# Altium PCB 01156.PcbDoc (part 3 of 3)
Units mm, origin at the board's own origin, x right, y up, seen from the top; angles counter-clockwise.
Board outline 60 x 50 mm, 4 copper layers (Top Layer, Signal Layer 1, Signal Layer 2, Bottom Layer), stack 1.57 mm thick; 178 components, 105 nets, 534 pads, 248 vias.
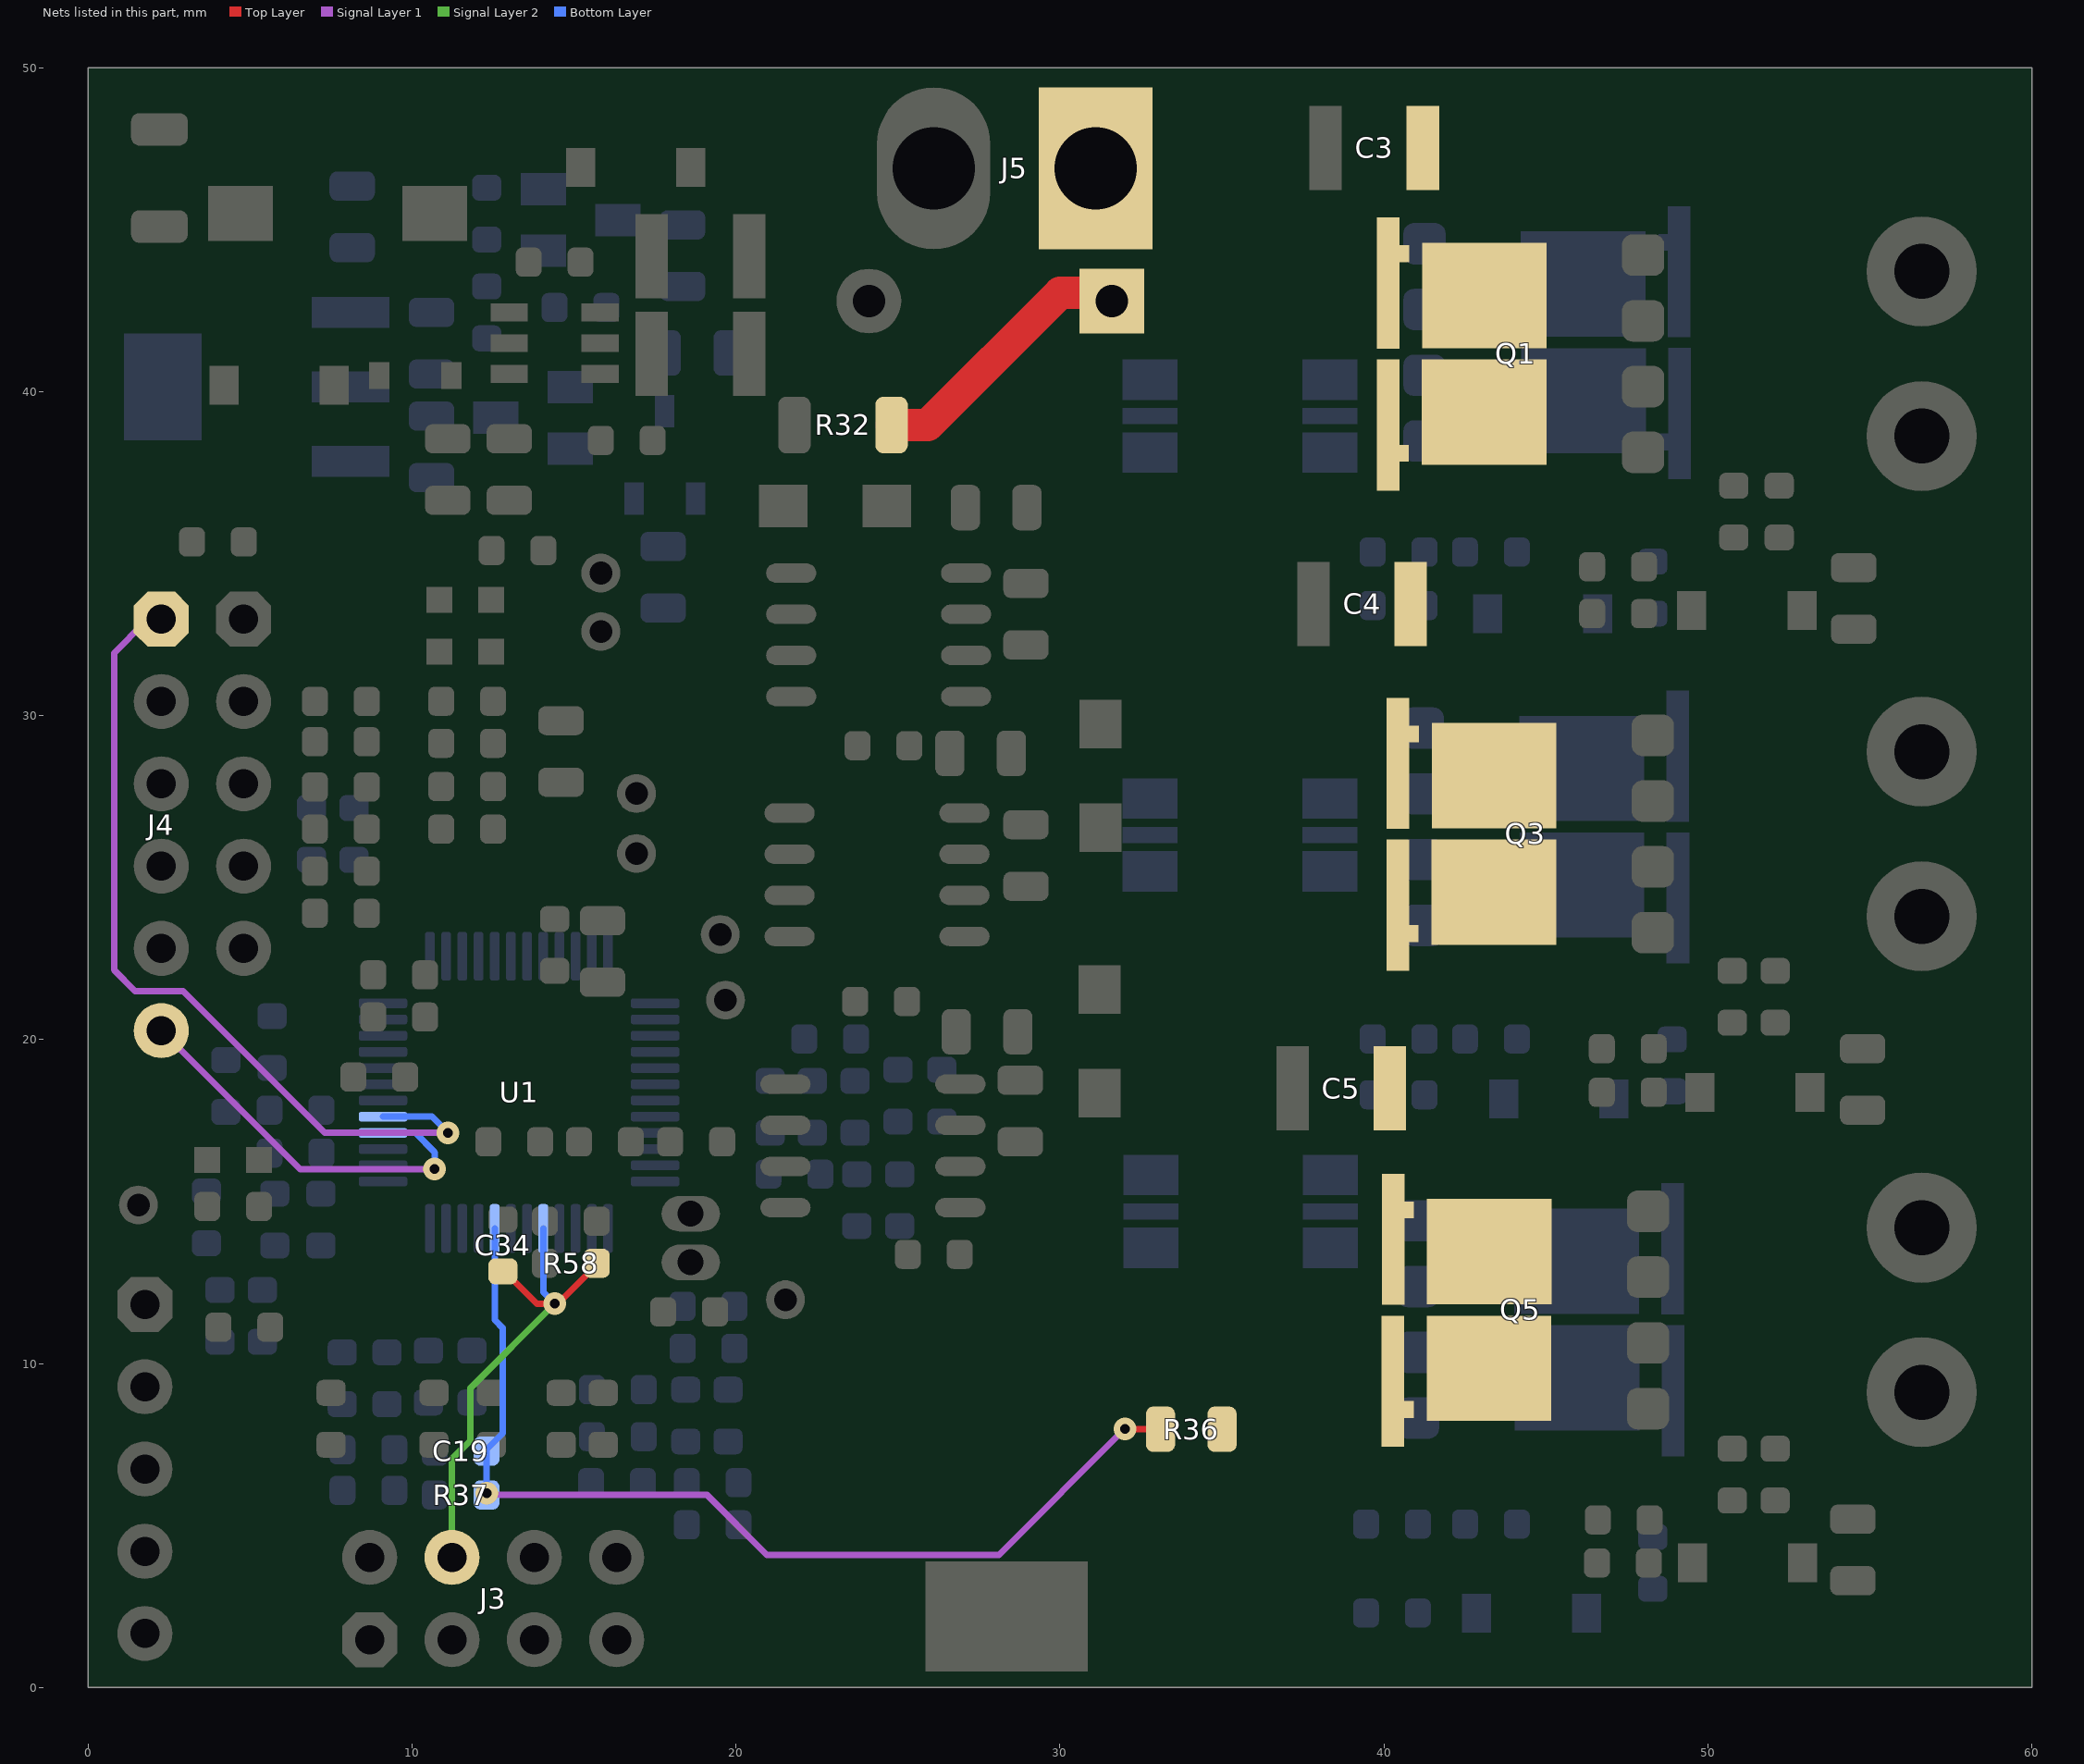
[diagram p5: the nets of this part, all layers, seen from the top]

## Via types
v1: diameter 0.7, hole 0.3, Top Layer to Bottom Layer, tented both sides, 162 vias
v2: diameter 0.8, hole 0.4, Top Layer to Bottom Layer, tented both sides, 86 vias

## Nets (pads, with @x,y where several pads share a name; then routed paths per layer and width w, separated by ;. In a path a pad name is that pad's centre, name@x,y a point inside that pad or via, vN(x,y) a via of type N, cw(c..) or ccw(c..) an arc to the next point about the centre after c; other vN are vias at no path point) (continued)
THROTTLE: C34.2 J3.4 R58.1 U1.17 | length 15.5
  Top Layer w0.2: C34.2@12.8,12.85 12.85,12.85 13.85,11.85 v1(14.4,11.85) 14.5,11.85 15.7,13.05 R58.1@15.7,13.1
  Signal Layer 2 w0.2: J3.4@11.23,4.02 11.23,7.059 11.793,7.622 11.793,9.243 v1(14.4,11.85)
  Bottom Layer w0.2: U1.17@14.05,14.175 14.05,12.2 v1(14.4,11.85)
UART_RX: J4.1 U1.29 | length 25.7
  Signal Layer 1 w0.2: J4.1@1.75,32.89 0.8,31.94 0.8,22.15 1.452,21.498 2.927,21.498 7.3,17.125 v1(11.1,17.125)
  Bottom Layer w0.2: U1.29@9.1,17.625 10.618,17.625 11.1,17.143 v1(11.1,17.125)
UART_TX: J4.6 U1.28 | length 12.6
  Signal Layer 1 w0.2: J4.6@2.26,20.28 6.54,16 10.674,16 v1(10.687,16.013)
  Bottom Layer w0.2: U1.28@9.1,17.125 10.097,17.125 10.7,16.523 10.7,16.026 v1(10.687,16.013)
VBUS: C3.2 C4.2 C5.2 J5.1 pad.1@31.6,42.8 Q1.5@40.62,38.104 Q1.5@40.127,38.976 Q1.5@40.135,43.356 Q1.5@40.628,44.263 Q1.5@43.1,42.975 Q1.5@43.091,39.375 Q3.5@40.92,23.279 Q3.5@40.427,24.151 Q3.5@40.435,28.531 Q3.5@40.928,29.438 Q3.5@43.4,28.15 Q3.5@43.391,24.55 Q5.5@40.77,8.586 Q5.5@40.277,9.458 Q5.5@40.285,13.838 Q5.5@40.778,14.745 Q5.5@43.25,13.457 Q5.5@43.241,9.857 R32.2 R36.2 | length 8.5
  Top Layer w1: R32.2@24.8,38.975 25.922,38.975 29.997,43.05 pad.1@31.6,43.05
VBUS/16: C19.2 R36.1 R37.2 U1.20 | length 31.7
  Top Layer w0.2: v1(32,7.99) 32.015,7.975 R36.1@33.1,7.975
  Signal Layer 1 w0.2: v1(12.3,6) 12.35,5.95 19.1,5.95 20.95,4.1 28.11,4.1 v1(32,7.99)
  Bottom Layer w0.2: R37.2@12.3,5.95 v1(12.3,6) C19.2@12.3,7.3 12.3,7.35 12.8,7.85 12.8,11.1 12.55,11.35 U1.20@12.55,14.175
pads on no net: Q1.5@40.127,38.976 Q1.5@40.135,43.356 Q1.5@42.1,39.375 Q1.5@42.1,42.975 Q1.5@44.1,39.375 Q1.5@44.1,42.975 Q2.5@45.15,39.725 Q2.5@45.15,43.325 Q2.5@47.15,39.725 Q2.5@47.15,43.325 Q2.5@49.115,43.706 Q2.5@49.123,39.326 Q3.5@40.427,24.151 Q3.5@40.435,28.531 Q3.5@42.4,24.55 Q3.5@42.4,28.15 Q3.5@44.4,24.55 Q3.5@44.4,28.15 Q4.5@45.1,24.775 Q4.5@45.1,28.375 Q4.5@47.1,24.775 Q4.5@47.1,28.375 Q4.5@49.065,28.756 Q4.5@49.073,24.376 Q5.5@40.277,9.458 Q5.5@40.285,13.838 Q5.5@42.25,9.857 Q5.5@42.25,13.457 Q5.5@44.25,9.857 Q5.5@44.25,13.457 Q6.5@44.95,9.564 Q6.5@44.95,13.164 Q6.5@46.95,9.564 Q6.5@46.95,13.164 Q6.5@48.915,13.544 Q6.5@48.923,9.165

## Polygon pours and split planes (outlines as drawn)
GND on Bottom Layer "Bottom Layer-GND" (solid, pour order 78): 0,0 0,50 33.667,50 33.667,0
NetC3_1 on Bottom Layer "Bottom Layer-CS_P" (solid, remove dead copper, pour order 74): 36.25,35.708 40.45,35.708 40.45,39.45 42.5,39.45 42.5,50 36.25,50 36.25,42.11
NetC4_1 on Bottom Layer "NETC4_1_L04_P073" (solid, remove dead copper, pour order 73): 36.05,31.95 36.05,21.2 42.3,21.2 42.3,32.56 38.975,32.56 38.975,34.825 36.05,34.825
NetC5_1 on Bottom Layer "NETC5_1_L04_P072" (solid, remove dead copper, pour order 72): 35.975,15.26 35.975,6.16 42.225,6.16 42.225,17.275 38.9,17.275 38.9,19.835 35.975,19.835
C on Bottom Layer "Bottom Layer-C" (solid, pour order 77): 44,16.5 59.5,16.5 59.5,6.55 44,6.55
A on Bottom Layer "Bottom Layer-B" (solid, pour order 75): 44.2,46.5 59.5,46.5 59.5,36.55 44.2,36.55
B on Bottom Layer "Bottom Layer-A" (solid, pour order 76): 44.14,31.5 59.5,31.5 59.5,21.55 44.14,21.55
+12V on Bottom Layer "Bottom Layer-+12V" (solid, pour order 71): 1.2,43.2 3.083,43.2 3.265,43.382 3.265,43.935 2.95,44.25 1.55,44.25 1.2,43.9
GND on Top Layer "Top Layer-GND" (solid, remove dead copper, pour order 62): 0.5,49.49 0.5,0.5 28.85,0.5 28.85,49.49
VBUS on Top Layer "Top Layer-VBUS" (solid, remove dead copper, pour order 61): 45.85,0.51 32.825,0.51 32.825,41.6 30.502,41.6 28.85,43.252 28.85,49.5 45.85,49.5
B on Top Layer "Top Layer-A" (solid, pour order 58): 46.8,30.85 47.625,31.675 59.5,31.675 59.5,21.55 50.1,21.55 50.1,22.6 49.85,22.85 46.8,22.85
A on Top Layer "Top Layer-B" (solid, pour order 60): 46.8,45.85 47.85,46.9 59.5,46.9 59.5,36.55 50.1,36.55 50.1,37.55 49.8,37.85 46.8,37.85
C on Top Layer "Top Layer-C" (solid, pour order 59): 46.8,15.85 47.733,16.783 59.5,16.783 59.5,6.55 50.1,6.55 50.1,8.1 46.8,8.1
GND on Top Layer "GND_L01_P056" (solid, remove dead copper, pour order 56): 30.439,19.95 32.205,19.95 32.6,20.345 32.6,22.385 30.439,22.385
GND on Top Layer "GND_L01_P057" (solid, remove dead copper, pour order 57): 31.743,31.582 31.65,31.675 28.166,31.675 28.166,29.371 31.743,29.371
GND on Signal Layer 2 "Signal Layer 2-GND" (solid, remove dead copper, pour order 69): 0,50 60,50 60,0 0,0
C on Signal Layer 2 "Bottom Layer-B" (solid, pour order 67): 49.6,16.512 59.46,16.512 59.46,6.562 49.6,6.562
B on Signal Layer 2 "Bottom Layer-B" (solid, pour order 68): 49.6,31.512 59.46,31.512 59.46,21.562 49.6,21.562
A on Signal Layer 2 "Bottom Layer-B" (solid, pour order 66): 49.6,46.512 59.46,46.512 59.46,36.562 49.6,36.562
GND on Signal Layer 1 "GND_L02_P079" (solid, remove dead copper, pour order 79): 0,50 0,12.7 19.184,12.7 20.65,14.166 20.65,26.45 22.55,28.35 22.55,31.35 23.675,31.35 24.75,32.425 24.75,34.45 27.65,37.35 31,37.35 31.25,37.6 31.25,40.95 29.45,40.95 28.3,42.1 28.3,50
C on Signal Layer 1 "Bottom Layer-B" (solid, pour order 63): 49.7,16.5 59.51,16.5 59.51,6.55 49.7,6.55
B on Signal Layer 1 "Bottom Layer-B" (solid, pour order 64): 49.7,31.5 59.51,31.5 59.51,21.55 49.7,21.55
A on Signal Layer 1 "Bottom Layer-B" (solid, pour order 65): 49.7,46.5 59.51,46.5 59.51,36.55 49.7,36.55

## Keep-outs
Keep-Out Layer:
  text ".Layer_Name" at 255.5,-158.75 h1.5

## Other copper
Top Layer:
  region net HSC: 45,4.375 44.118,4.375 44.118,2.394 45,2.394
  region net NetC5_1: 38.905,20 36.625,20 36.625,16.9 38.905,16.9
  rectangle net NetC4_1: 36.2,32.182 38.3,34.95
  rectangle net NetC3_1: 36.22,46.05 38.7,49.075
  region net HSB: 26.002,25.695 25.22,25.695 25.22,24.274 26.002,24.274
  region net B: 30.346,28.774 29.565,28.774 29.565,27.353 30.346,27.353
  region net C: 30.277,20.838 29.496,20.838 29.496,19.417 30.277,19.417
  rectangle net HSC: 29.351,14.68 30.24,16.14
  region net LSC: 21.255,14.277 21.255,13.496 22.676,13.496 22.676,14.277
  region net LSA: 22.88,30.977 22.88,30.196 24.301,30.196 24.301,30.977
  rectangle net HSA: 25.273,32.88 26.054,34.301
  region net A: 30.18,36.777 30.18,35.996 31.601,35.996 31.601,36.777
  region net LSB: 24.271,22.245 24.271,23.026 22.85,23.026 22.85,22.245
  rectangle net HSB: 44.95,17.15 45.782,18.825
  region net LSB: 46,19.625 46,20.457 44.05,20.457 44.05,19.625
  region net LSA: 45.725,36.1 44.893,36.1 44.893,34.425 45.725,34.425
  region net HSA: 45.35,33.6 44.468,33.6 44.468,31.925 45.35,31.925
  region net LSC: 43.725,5.475 43.725,4.643 45.6,4.643 45.6,5.475
  pour cut-out: 43.725,20.763 45.85,20.763 45.85,16.75 43.725,16.768
  pour cut-out: 44.14,36.51 45.85,36.51 45.85,31.618 44.14,31.633
  region net GND: 29.258,41.1 31.25,41.1 31.743,40.607 31.743,37.85 31.322,37.43 26.8,37.43 26.8,38.642
  pour cut-out: 48.98,39.093 48.98,37.527 46.528,37.527 46.541,39.093
  pour cut-out: 49.155,9.557 49.155,7.991 46.703,7.991 46.716,9.557
  pour cut-out: 49.255,24.272 49.255,22.706 46.803,22.706 46.817,24.271
  region net +12V: 6,39.5 6,45.55 1.1,45.55 1.1,42.31 3.115,42.31 3.3,42.125 3.3,39.5
  region net NetC1_2: 12,40.1 12,41.85 12.26,42.11 13.6,42.11 14,42.51 14,44.45 13.7,44.75 12.242,44.75 10.9,43.408 10.9,40.1
  region net NetC1_1: 16.4,42.2 16.4,47.7 8.985,47.7 8.985,45.1 14,45.1 14.7,44.4 14.7,42.65 15.15,42.2
  region net NetC6_2: 15.2,41.8 16.7,41.8 17,42.1 17,44.9 19.6,44.9 19.6,37.8 17,37.8 17,40.8 16.55,41.25 15.2,41.25
  text ".ProjectRevisionART" at 290.678,-158.572 h1.5
  text ".Layer_Name" at 255.5,-158.75 h1.5
Signal Layer 1:
  region net LSB: 24.271,22.225 24.271,23.026 22.85,23.026 22.85,22.225
  region net HSB: 26.05,25.725 25.23,25.725 25.23,24.245 26.05,24.245
  region net C: 30.268,20.85 29.486,20.85 29.486,19.25 30.268,19.25
  region net LSA: 22.85,30.993 22.85,30.212 24.33,30.212 24.33,30.993
  region net HSA: 26.05,34.325 25.23,34.325 25.23,32.85 26.05,32.85
  region net A: 30.15,36.78 30.15,35.999 31.625,35.999 31.625,36.78
  rectangle net B: 29.55,27.275 30.37,28.8
  region net LSC: 22.707,13.525 22.707,14.324 21.227,14.324 21.227,13.525
  region net HSC: 30.05,16.15 29.351,16.15 29.351,14.675 30.05,14.675
  rectangle net HSA: 44.475,31.95 45.307,33.55
  region net LSA: 45.725,36.075 44.893,36.075 44.893,34.475 45.725,34.475
  region net B: 50.582,29.775 49.75,29.775 49.75,27.68 50.582,27.68
  rectangle net A: 50.075,37.725 50.907,39.85
  rectangle net C: 49.75,14.175 50.582,16.325
  region net LSC: 43.675,5.475 43.675,4.643 45.575,4.643 45.575,5.475
  rectangle net HSC: 44.125,2.4 44.975,4.1
  region net LSB: 46.05,19.6 46.05,20.432 44.075,20.432 44.075,19.6
  rectangle net HSB: 44.925,17.125 45.757,18.8
  region net VBUS: 29.4,49.45 29.4,42.154 30.029,41.525 32.95,41.525 33.2,41.775 33.2,49.45
Signal Layer 2:
  rectangle net VBUS: 29.4,41.85 32.672,49.356
Bottom Layer:
  rectangle net VBUS: 29.4,41.85 32.644,49.4
  rectangle net HSC: 44.15,2.45 44.96,4.05
  rectangle net HSB: 25.253,24.235 26.025,25.735
  region net C: 30.272,20.875 29.49,20.875 29.49,19.325 30.272,19.325
  region net B: 30.322,28.757 29.54,28.757 29.54,27.257 30.322,27.257
  region net A: 30.143,36.772 30.143,35.99 31.6,35.99 31.6,36.772
  rectangle net HSA: 25.285,32.843 26.066,34.343
  region net LSA: 24.337,30.222 24.337,31.004 22.837,31.004 22.837,30.222
  region net LSB: 22.843,22.972 22.843,22.2 24.343,22.2 24.343,22.972
  region net LSC: 21.218,14.265 21.218,13.484 22.718,13.484 22.718,14.265
  rectangle net HSC: 29.351,14.7 30.068,16.175
  rectangle net LSA: 44.9,34.475 45.71,36.075
  region net HSA: 45.3,33.55 44.49,33.55 44.49,31.95 45.3,31.95
  region net HSB: 45.75,18.775 44.94,18.775 44.94,17.175 45.75,17.175
  rectangle net LSB: 44.1,19.55 46.01,20.475
  region net LSC: 43.7,5.492 43.7,4.605 46.3,4.605 46.3,5.492
  region net +5V: 13.85,37.4 17.01,37.4 18.15,36.26 18.15,34.875 16.85,34.875 16.017,35.708 13.85,35.708
  pour cut-out: 40.096,9.264 40.096,6.167 42.24,6.167 42.213,9.264
  pour cut-out: 28.85,49.475 28.85,41.525 33.732,41.525 33.662,49.475
  pour cut-out: 26.1,27.5 18.875,27.5 18.875,26.894 26.1,26.958
  pour cut-out: 25.63,27.488 25.63,12.562 26.236,12.562 26.104,27.488
  pour cut-out: 32.85,12.65 25.625,12.65 25.625,12.045 32.85,12.108
  region net +3V3: 7.25,38.2 10.968,38.2 11.118,38.05 11.118,37.35 7.25,37.35
  text "04-'.ProjectPCBNumber'-R'.ProjectRevisionART'" at 59.4,48.1 h1.2
  text ".ProjectRevisionART" at 290.678,-158.572 h1.5
  text ".ProjectRevisionART" at 290.678,-158.572 h1.5
  text ".ProjectRevisionART" at 290.678,-158.572 h1.5
  text ".Layer_Name" at 255.5,-158.75 h1.5

## Silkscreen, mask and mechanical layers (free items; w line width, h text height)
Top Overlay:
  rectangle: 0.3,13.15 3.25,14.1
  region: 3.475,12.95 4.675,14.15 4.675,11.75
  region: 7.125,1.67 5.925,0.47 5.925,2.87
  region: 1.3,34.275 0.1,35.475 2.5,35.475
  region: 6.442,33.225 7.642,34.425 7.642,32.025
  text ".ProjectPartNumber" at 50,48.3 h1.2
  text "-" at 22.081,46.35 h3
  text "+" at 34.4,45.95 h3
  text "-" at 25.5,42.25 h3
  text "+" at 28.75,41.85 h3
  text "A" at 52.85,40.45 h3
  text "B" at 53.15,25.8 h3
  text "C" at 53.15,10.825 h3
  text "PICkit™" at 3.6,8.75 h2 r270
  text "M" at 22.15,5.05 h6
  text "GND" at 31.85,1.2 h2
  text ".ProjectRevisionART" at 290.678,-158.572 h1.5
  text ".Layer_Name" at 255.5,-158.75 h1.5
Bottom Overlay:
  text "-" at 26.1,42.3 h3
  text "+" at 28.9,41.9 h3
  text "dsPIC®" at 16.3,28.25 h2
  text "C" at 36.3,6 h5
  text "" at 31.3,4.4 h5
  text "e" at 36.5,1.25 h5
  text "" at 30.65,0 h5
  text ".ProjectRevisionART" at 290.678,-158.572 h1.5
  text ".Layer_Name" at 255.5,-158.75 h1.5
Top Paste:
  text ".ProjectRevisionART" at 290.678,-158.572 h1.5
  text ".Layer_Name" at 255.5,-158.75 h1.5
Bottom Paste:
  text ".ProjectRevisionART" at 290.678,-158.572 h1.5
  text ".Layer_Name" at 255.5,-158.75 h1.5
Top Solder:
  text ".ProjectRevisionART" at 290.678,-158.572 h1.5
  text ".Layer_Name" at 255.5,-158.75 h1.5
Bottom Solder:
  text ".ProjectRevisionART" at 290.678,-158.572 h1.5
  text ".Layer_Name" at 255.5,-158.75 h1.5
NOTES (M1):
  text ".Layer_Name" at 273.5,-158.75 h1.5
BOARD (M2):
  lines w0.2: 0,0 60,0 60,50 10,50 0,50 0,0
  text ".ProjectRevisionART" at 290.678,-158.572 h1.5
  text ".Layer_Name" at 255.5,-158.75 h1.5
REF POINTS (M3):
  text ".Layer_Name" at 255.5,-158.75 h1.5
FAB (M4):
  drawing of 295 lines, arcs and shapes, not listed
  text "Layer" at 183.78,-72.096 h1.52
  text "Name" at 194.192,-72.096 h1.52
  text "Material" at 218.062,-72.096 h1.52
  text "Thickness" at 239.9,-72.096 h1.52
  text "Constant" at 256.406,-72.096 h1.52
  text "Board Layer Stack" at 270.88,-72.096 h1.52
  text "Top Overlay" at 194.192,-75.144 h1.52
  text "Top Solder" at 194.192,-78.192 h1.52
  text "Solder Resist" at 218.062,-78.192 h1.52
  text "0.010mm" at 239.9,-78.192 h1.52
  text "3.5" at 256.406,-78.192 h1.52
  text "1" at 183.78,-81.24 h1.52
  text "Top Layer" at 194.192,-81.24 h1.52
  text "0.035mm" at 239.9,-81.24 h1.52
  text "Dielectric1" at 194.192,-84.288 h1.52
  text "FR-4" at 218.062,-84.288 h1.52
  text "0.360mm" at 239.9,-84.288 h1.52
  text "4.2" at 256.406,-84.288 h1.52
  text "2" at 183.78,-87.336 h1.52
  text "Signal Layer 1" at 194.192,-87.336 h1.52
  text "0.035mm" at 239.9,-87.336 h1.52
  text "Dielectric 3" at 194.192,-90.384 h1.52
  text "FR-4" at 218.062,-90.384 h1.52
  text "0.710mm" at 239.9,-90.384 h1.52
  text "4.2" at 256.406,-90.384 h1.52
  text "3" at 183.78,-93.432 h1.52
  text "Signal Layer 2" at 194.192,-93.432 h1.52
  text "0.035mm" at 239.9,-93.432 h1.52
  text "Dielectric 2" at 194.192,-96.48 h1.52
  text "FR-4" at 218.062,-96.48 h1.52
  text "0.360mm" at 239.9,-96.48 h1.52
  text "4.2" at 256.406,-96.48 h1.52
  text "4" at 183.78,-99.528 h1.52
  text "Bottom Layer" at 194.192,-99.528 h1.52
  text "0.035mm" at 239.9,-99.528 h1.52
  text "Bottom Solder" at 194.192,-102.576 h1.52
  text "Solder Resist" at 218.062,-102.576 h1.52
  text "0.010mm" at 239.9,-102.576 h1.52
  text "3.5" at 256.406,-102.576 h1.52
  text "Bottom Overlay" at 194.192,-105.624 h1.52
  text ".ProjectRevisionFAB" at 290.678,-158.572 h1.5
  text ".Layer_Name" at 255.5,-158.75 h1.5
Case (M5):
  text ".Layer_Name" at 255.5,-158.75 h1.5
Cover (M6):
  text ".Layer_Name" at 255.5,-158.75 h1.5
Terminal Block (M7):
  text ".Layer_Name" at 255.5,-158.75 h1.5
Route Tool Path:
  text ".Layer_Name" at 255.5,-158.75 h1.5
V-Cut (M9):
  text ".Layer_Name" at 255.5,-158.75 h1.5
Bottom Assy TOP (M11)/Assy BOT (M10):
  text ".variantName" at 5.07,-142.75 h0.9
  text "ASSEMBLY VARIANT:" at 19.32,-142.75 h0.9
  text "DOCUMENT NUMBER:" at -26.95,-151 h1.14
  text "-D" at -40.95,-154 h1.78
  text ".ProjectBoardNumber" at -32.7,-154 h1.78
  text "02-" at -27.2,-154 h1.78
  text ".ProjectRevisionASSY" at -43.878,-158.572 h1.5
  text ".Layer_Name" at -9,-158.75 h1.5
Top Assy TOP (M11)/Assy BOT (M10):
  text "ASSEMBLY NOTES:" at -15.6,-109.1 h4
  text "1. ALL COMPONENTS SHALL BE RoHS COMPLIANT." at -49.7,-114.2 h3
  text "2. ALL UNUSED THROUGH HOLE COMPONENT LOCATIONS SHALL BE FREE OF SOLDER." at -49.7,-117.2 h3
  text "3. ALL COMPONENTS SHALL BE MOUNTED FLUSH TO THE BOARD, EXCEPT AS NOTED." at -49.7,-120.2 h3
  text "4. FINISHED BOARD SHALL BE FREE OF ALL RESIDUES." at -49.7,-123.2 h3
  text "5. ALL LEADS SHALL BE TRIMMED TO A MAXIMUM HEIGHT OF 2mm" at -49.7,-126.2 h3
  text "6. PLACE LABEL  ON THE LOCATION INDICATED." at -49.7,-129.2 h3
  text "7." at -49.7,-132.2 h3
  text "ASSEMBLY VARIANT:" at 227.5,-142.75 h0.9
  text ".variantName" at 241.75,-142.75 h0.9
  text "DOCUMENT NUMBER:" at 273.75,-151 h1.14
  text "02-" at 274,-154 h1.78
  text ".ProjectBoardNumber" at 279.5,-154 h1.78
  text "-D" at 287.75,-154 h1.78
  text ".ProjectRevisionASSY" at 290.678,-158.572 h1.5
  text ".Layer_Name" at 255.5,-158.75 h1.5
Bottom 3D TOP (M13)/3D BOT (M12):
  text ".Layer_Name" at 255.5,-158.75 h1.5
Top 3D TOP (M13)/3D BOT (M12):
  text ".Layer_Name" at 255.5,-158.75 h1.5
Bottom Guard TOP (M15)/Guard BOT (M14):
  text ".ProjectRevisionART" at 290.678,-158.572 h1.5
  text ".Layer_Name" at 255.5,-158.75 h1.5
Top Guard TOP (M15)/Guard BOT (M14):
  text ".ProjectRevisionART" at 290.678,-158.572 h1.5
  text ".Layer_Name" at 255.5,-158.75 h1.5
TITLE (M16):
  lines w0.1: 227,-141.5 308.82,-141.5 ; 284,-134 284,-137 308.82,-137 ; 297.54,-158.635 297.54,-157.365 ; 297.54,-158 307.7,-158 ; 297.7,-156.8 297.7,-155.8 ; 297.7,-156.3 307.7,-156.3 ; 300.08,-158.635 300.08,-157.365 ; 302.62,-158.635 302.62,-157.365 ; 302.7,-156.6 302.7,-156 ; 305.16,-158.635 305.16,-157.365 ; 307.7,-158.635 307.7,-157.365 ; 307.7,-156.8 307.7,-155.8 ; 308.82,-137 308.82,-137
  lines w0.127: -67.1,-104.175 -62.02,-104.175 ; -67.1,-43.85 -62.02,-43.85 ; -67.1,16.475 -62.02,16.475 ; -3.6,-164.5 -3.6,-159.42 ; -3.6,71.72 -3.6,76.8 ; 59.9,-164.5 59.9,-159.42 ; 59.9,71.72 59.9,76.8 ; 123.4,-164.5 123.4,-159.42 ; 123.4,71.72 123.4,76.8 ; 158.96,-159.42 194.52,-159.42 ; 186.9,-164.5 186.9,-159.42 ; 186.9,71.72 186.9,76.8 ; 193,-159.42 193,-134 308.82,-134 ; 227,-159.42 227,-134 ; 227,-155 308.82,-155 ; 227,-149 308.82,-149 ; 227,-143 308.82,-143 ; 250.4,-164.5 250.4,-159.42 ; 250.4,71.72 250.4,76.8 ; 255,-159.42 255,-143 ; 273,-155 273,-149 ; 286,-159.42 286,-155 ; 293.5,-159.42 293.5,-149 ; 308.82,-128.94 308.82,-159.42 ; 308.82,-104.175 313.9,-104.175 ; 308.82,-43.85 313.9,-43.85 ; 308.82,16.475 313.9,16.475 ; 308.82,-159.42 -62.02,-159.42 -62.02,71.72 308.82,71.72 308.82,-159.42 ; -67.1,-164.5 313.9,-164.5 313.9,76.8 -67.1,76.8 -67.1,-164.5
  lines w0.254: 187,71.5 187,67 ; 198,62.5 198,67 198,71.5 ; 210.5,62.5 210.5,67 210.5,71.5 ; 289,62.5 289,67 289,71.5 ; 308.5,62.5 187,62.5 187,67 ; 308.5,67 187,67
  text "1" at -35.824,73.498 h1.78
  text "2" at 27.566,73.498 h1.78
  text "3" at 90.795,73.498 h1.78
  text "4" at 154.464,73.498 h1.78
  text "5" at 217.939,73.498 h1.78
  text "6" at 281.566,73.498 h1.78
  text "REV" at 189.5,68.5 h1.52
  text "ECO" at 199.5,68.5 h1.52
  text "Comments" at 246,68 h1.52
  text "Date" at 294,68 h1.52
  text "A" at -65.195,44.466 h1.78
  text "A" at 310.725,44.466 h1.78
  text "B" at -65.195,-15.986 h1.78
  text "B" at 310.725,-15.986 h1.78
  text "C" at -65.195,-76.311 h1.78
  text "C" at 310.725,-76.311 h1.78
  text "PART NUMBER:" at 285,-136 h1
  text ".ProjectpartNumber" at 297,-136.25 h1.5
  text "D" at -65.195,-136.509 h1.78
  text "TITLE:" at 228,-136.5 h1.14
  text "D" at 310.725,-136.509 h1.78
  text ".ProjectTitle" at 228,-140.5 h2.5
  text "PCB DESIGNER:" at 228,-145 h1.14
  text "GERBER FILE:" at 256,-145 h1.14
  text ".ProjectDrawnBy" at 228,-148 h1.78
  text ".Plot_File_Name" at 256,-148 h1.5
  text "M" at 196,-150 h15.24
  text "ENGINEER:" at 228,-151 h1.14
  text "BOARD NUMBER:" at 256,-151 h1.14
  text "DATE:" at 294.7,-151 h1.14
  text "Microchip Technology Inc." at 194.77,-153.26 h1.78
  text ".ProjectEngineer" at 228,-154 h1.78
  text "04-" at 256,-154 h1.78
  text ".ProjectBoardNumber" at 261,-154 h1.78
  text ".PRINT_DATE" at 294.7,-154 h1.5
  text "2355 W. Chandler Blvd." at 196,-156 h1.78
  text "LAYER NAME:" at 256,-156.5 h1.14
  text "10mm" at 294,-156.6 h0.7
  text "PCB FILE NAME:" at 228,-156.75 h1.14
  text "REV:" at 286.75,-156.75 h1.14
  text "400mil" at 293.9,-158.3 h0.7
  text "Chandler, AZ  85224" at 197,-158.5 h1.78
  text ".PCB_FILE_NAME_NO_PATH" at 228,-158.75 h1.14
  text "1" at -35.824,-162.722 h1.78
  text "2" at 27.566,-162.722 h1.78
  text "3" at 90.795,-162.722 h1.78
  text "4" at 154.464,-162.722 h1.78
  text "5" at 217.939,-162.722 h1.78
  text "6" at 281.566,-162.722 h1.78
Drill Drawing:
  circle w0.254: c-30.64,-88.155 r0.847
  lines w0.254: -31.487,-96.198 -31.064,-96.198 -30.64,-96.622 -30.217,-96.198 -29.794,-96.198 -30.217,-95.775 -29.794,-95.352 -30.217,-95.352 -30.64,-94.928 -31.064,-95.352 -31.487,-95.352 -31.064,-95.775 -31.487,-96.198 ; -31.487,-92.812 -30.64,-92.388 -29.794,-92.812 -30.217,-91.965 -29.794,-91.118 -30.64,-91.542 -31.487,-91.118 -31.064,-91.965 -31.487,-92.812 ; -31.487,-83.498 -29.794,-83.498 -30.64,-85.192 -31.487,-83.498 ; -31.487,-80.958 -31.064,-80.958 -31.064,-81.382 -30.217,-81.382 -30.217,-80.958 -29.794,-80.958 -29.794,-80.112 -30.217,-80.112 -30.217,-79.688 -31.064,-79.688 -31.064,-80.112 -31.487,-80.112 -31.487,-80.958 ; -31.487,-77.572 -31.487,-77.148 -31.064,-76.725 -31.487,-76.302 -31.487,-75.878 -31.064,-75.878 -30.64,-76.302 -30.217,-75.878 -29.794,-75.878 -29.794,-76.302 -30.217,-76.725 -29.794,-77.148 -29.794,-77.572 -30.217,-77.572 -30.64,-77.148 -31.064,-77.572 -31.487,-77.572 ; -31.487,-72.915 -30.64,-73.762 -29.794,-72.915 -30.64,-72.068 -31.487,-72.915 ; -31.487,-69.952 -29.794,-69.952 -29.794,-68.258 -31.487,-68.258 -31.487,-69.952
  lines w0.381: -33.006,-97.765 65.52,-97.765 ; -33.006,-67.285 65.52,-67.285 ; -19.013,-101.575 -19.013,-63.475 ; -1.289,-101.575 -1.289,-63.475 ; 32.889,-101.575 32.889,-63.475 ; 45.739,-101.575 45.739,-63.475 ; -33.006,-101.575 65.52,-101.575 65.52,-63.475 -33.006,-63.475 -33.006,-101.575
  text "Symbol" at -30.72,-66.142 h1.83
  text "Hit Count" at -17.87,-66.142 h1.83
  text "Finished Hole Size" at -0.146,-66.142 h1.83
  text "Plated" at 34.032,-66.142 h1.83
  text "Hole Type" at 46.882,-66.142 h1.83
  text "2" at -17.87,-69.952 h1.52
  text "0.800mm (31.50mil)" at -0.146,-69.952 h1.52
  text "PTH" at 34.032,-69.952 h1.52
  text "Round" at 46.882,-69.952 h1.52
  text "2" at -17.87,-73.762 h1.52
  text "1.000mm (39.37mil)" at -0.146,-73.762 h1.52
  text "PTH" at 34.032,-73.762 h1.52
  text "Round" at 46.882,-73.762 h1.52
  text "2" at -17.87,-77.572 h1.52
  text "2.540mm (100.00mil)" at -0.146,-77.572 h1.52
  text "PTH" at 34.032,-77.572 h1.52
  text "Round" at 46.882,-77.572 h1.52
  text "6" at -17.87,-81.382 h1.52
  text "1.700mm (66.93mil)" at -0.146,-81.382 h1.52
  text "PTH" at 34.032,-81.382 h1.52
  text "Round" at 46.882,-81.382 h1.52
  text "8" at -17.87,-85.192 h1.52
  text "0.700mm (27.56mil)" at -0.146,-85.192 h1.52
  text "PTH" at 34.032,-85.192 h1.52
  text "Round" at 46.882,-85.192 h1.52
  text "24" at -17.87,-89.002 h1.52
  text "0.900mm (35.43mil)" at -0.146,-89.002 h1.52
  text "PTH" at 34.032,-89.002 h1.52
  text "Round" at 46.882,-89.002 h1.52
  text "86" at -17.87,-92.812 h1.52
  text "0.400mm (15.75mil)" at -0.146,-92.812 h1.52
  text "PTH" at 34.032,-92.812 h1.52
  text "Round" at 46.882,-92.812 h1.52
  text "162" at -17.87,-96.622 h1.52
  text "0.300mm (11.81mil)" at -0.146,-96.622 h1.52
  text "PTH" at 34.032,-96.622 h1.52
  text "Round" at 46.882,-96.622 h1.52
  text "292 Total" at -17.87,-100.432 h1.52
  text "DOCUMENT NUMBER:" at 273.75,-151 h1.14
  text "04-" at 274,-154 h1.78
  text ".ProjectBoardNumber" at 279.5,-154 h1.78
  text "-D" at 287.75,-154 h1.78
  text ".ProjectRevisionFAB" at 290.678,-158.572 h1.5
TITLE MIRROR (M17):
  lines w0.1: -62,-141.5 19.82,-141.5 ; -60.9,-158.635 -60.9,-157.365 ; -60.9,-158 -50.74,-158 ; -60.9,-156.8 -60.9,-155.8 ; -60.9,-156.3 -50.9,-156.3 ; -58.36,-158.635 -58.36,-157.365 ; -55.9,-156.6 -55.9,-156 ; -55.82,-158.635 -55.82,-157.365 ; -53.28,-158.635 -53.28,-157.365 ; -50.9,-156.8 -50.9,-155.8 ; -50.74,-158.635 -50.74,-157.365 ; -37.18,-134 -37.18,-137 -62,-137 ; -62,-137 -62,-137
  lines w0.127: -67.1,-104.175 -62.02,-104.175 ; -67.1,-43.85 -62.02,-43.85 ; -67.1,16.475 -62.02,16.475 ; -62.02,-155 19.8,-155 ; -62.02,-149 19.8,-149 ; -62,-143 19.82,-143 ; -62,-134 53.82,-134 53.82,-159.42 ; -46.7,-159.42 -46.7,-149 ; -39.2,-159.42 -39.2,-155 ; -26.2,-155 -26.2,-149 ; -8.18,-159.42 -8.18,-143 ; -3.6,-164.5 -3.6,-159.42 ; -3.6,71.72 -3.6,76.8 ; 19.82,-159.42 19.82,-134 ; 59.9,-164.5 59.9,-159.42 ; 59.9,71.72 59.9,76.8 ; 123.4,-164.5 123.4,-159.42 ; 123.4,71.72 123.4,76.8 ; 186.9,-164.5 186.9,-159.42 ; 186.9,71.72 186.9,76.8 ; 250.4,-164.5 250.4,-159.42 ; 250.4,71.72 250.4,76.8 ; 308.82,-104.175 313.9,-104.175 ; 308.82,-43.85 313.9,-43.85 ; 308.82,16.475 313.9,16.475 ; -67.1,-164.5 -67.1,76.8 313.9,76.8 313.9,-164.5 -67.1,-164.5 ; -62.02,-159.42 -62.02,71.72 308.82,71.72 308.82,-159.42 -62.02,-159.42
  text "6" at -34.766,73.498 h1.78
  text "5" at 28.861,73.498 h1.78
  text "4" at 92.336,73.498 h1.78
  text "3" at 156.005,73.498 h1.78
  text "2" at 219.234,73.498 h1.78
  text "1" at 282.624,73.498 h1.78
  text "A" at -63.925,44.466 h1.78
  text "A" at 311.995,44.466 h1.78
  text "B" at -63.925,-15.986 h1.78
  text "B" at 311.995,-15.986 h1.78
  text "C" at -63.925,-76.311 h1.78
  text "C" at 311.995,-76.311 h1.78
  text "PART NUMBER:" at -38.18,-136 h1
  text "TITLE:" at 18.82,-136 h1.14
  text ".ProjectpartNumber" at -50.18,-136.25 h1.5
  text "D" at -63.925,-136.509 h1.78
  text "D" at 311.995,-136.509 h1.78
  text ".ProjectTitle" at 18.82,-140.5 h2.5
  text "GERBER FILE:" at -9.18,-145 h1.14
  text "PCB DESIGNER:" at 18.82,-145 h1.14
  text ".Plot_File_Name" at -9.18,-148 h1.5
  text ".ProjectDrawnBy" at 18.82,-148 h1.78
  text "M" at 50.82,-150 h15.24
  text "DATE:" at -47.9,-151 h1.14
  text "BOARD NUMBER:" at -9.2,-151 h1.14
  text "ENGINEER:" at 18.8,-151 h1.14
  text "Microchip Technology Inc." at 52.05,-153.26 h1.78
  text ".PRINT_DATE" at -47.9,-154 h1.5
  text ".ProjectBoardNumber" at -14.2,-154 h1.78
  text "04-" at -9.2,-154 h1.78
  text ".ProjectEngineer" at 18.8,-154 h1.78
  text "2355 W. Chandler Blvd." at 50.82,-156 h1.78
  text "LAYER NAME:" at -9.2,-156.5 h1.14
  text "10mm" at -47.2,-156.6 h0.7
  text "REV:" at -39.95,-156.75 h1.14
  text "PCB FILE NAME:" at 18.8,-156.75 h1.14
  text "400mil" at -47.1,-158.3 h0.7
  text "Chandler, AZ  85224" at 49.82,-158.5 h1.78
  text ".PCB_FILE_NAME_NO_PATH" at 18.8,-158.75 h1.14
  text "6" at -34.766,-162.722 h1.78
  text "5" at 28.861,-162.722 h1.78
  text "4" at 92.336,-162.722 h1.78
  text "3" at 156.005,-162.722 h1.78
  text "2" at 219.234,-162.722 h1.78
  text "1" at 282.624,-162.722 h1.78
Fab Notes:
  lines w0.254: 207.973,41.781 210.513,44.321 ; 207.973,44.321 210.513,41.781 ; 278.712,27.358 280.236,27.358 ; 278.712,28.882 280.236,28.882 ; 279.474,28.12 279.474,29.644 ; 207.338,0.316 207.338,4.126 211.148,4.126 211.148,0.316 207.338,0.316 ; 207.338,5.926 211.148,5.926 211.148,9.736 207.338,9.736 207.338,5.926 ; 207.338,11.426 207.338,15.236 211.148,15.236 211.148,11.426 207.338,11.426 ; 207.338,16.706 211.148,16.706 211.148,20.516 207.338,20.516 207.338,16.706 ; 207.338,41.146 211.148,41.146 211.148,44.956 207.338,44.956 207.338,41.146 ; 207.838,-25.794 207.838,-21.984 211.648,-21.984 211.648,-25.794 207.838,-25.794 ; 217.578,-42.324 237.029,-42.324 237.029,-38.514 217.578,-38.514 217.578,-42.324 ; 227.529,-30.47 287.529,-30.47 287.529,-26.66 227.529,-26.66 227.529,-30.47 ; 227.658,-6.924 227.658,-3.114 291.158,-3.114 291.158,-6.924 227.658,-6.924 ; 235.278,41.146 235.278,44.956 239.088,44.956 239.088,41.146 235.278,41.146 ; 237.818,-19.624 237.818,-15.814 291.158,-15.814 291.158,-19.624 237.818,-19.624 ; 237.818,-13.274 291.158,-13.274 291.158,-9.464 237.818,-9.464 237.818,-13.274 ; 258.029,21.706 258.029,25.516 261.839,25.516 261.839,21.706 258.029,21.706 ; 258.138,26.596 258.138,30.406 267.028,30.406 267.028,26.596 258.138,26.596 ; 258.138,31.446 258.138,35.256 267.028,35.256 267.028,31.446 258.138,31.446 ; 258.138,36.296 267.028,36.296 267.028,40.106 258.138,40.106 258.138,36.296 ; 258.138,41.146 258.138,44.956 261.948,44.956 261.948,41.146 258.138,41.146 ; 266.868,-42.324 266.868,-38.514 284.029,-38.514 284.029,-42.324 266.868,-42.324 ; 275.029,21.706 278.839,21.706 278.839,25.516 275.029,25.516 275.029,21.706 ; 280.998,26.596 289.888,26.596 289.888,30.406 280.998,30.406 280.998,26.596
  text "THIS PCB TO BE MANUFACTURED TO MEET ALL ACCEPTANCE LEVELS" at 187.018,54.942 h1.78
  text "OF A CLASS 2 PCB PER ANSI/IPC-A-600G." at 187.018,51.132 h1.78
  text "MATERIAL:" at 187.018,46.512 h1.78
  text "FR-4 or Equivalent" at 207.338,46.512 h1.78
  text "CONTROLLED IMPEDANCE" at 263.529,42.28 h1.78
  text "MULTILAYER" at 213.053,42.162 h1.78
  text "4" at 236.548,42.162 h1.78
  text "LAYERS" at 240.993,42.162 h1.78
  text "Cu WEIGHT EXTERNAL LAYERS" at 207.338,37.312 h1.78
  text "35um" at 259.408,37.312 h1.78
  text "FINISHED" at 268.933,37.312 h1.78
  text "Cu WEIGHT INTERNAL LAYERS" at 207.338,32.462 h1.78
  text "N/A" at 259.408,32.462 h1.78
  text "FINISHED" at 268.933,32.462 h1.78
  text "FINISHED OVERALL THICKNESS" at 207.338,27.612 h1.78
  text "1.6" at 260.678,27.612 h1.78
  text "mm" at 268.933,27.612 h1.78
  text "10" at 283.538,27.612 h1.78
  text "%" at 291.793,27.612 h1.78
  text "COPPER THIEVING ALLOWED" at 207.529,22.78 h1.78
  text "YES" at 264.529,22.78 h1.78
  text "NO" at 281.529,22.78 h1.78
  text "X" at 276.12,22.28 h2.6
  text "FINISH:" at 187.029,18.28 h1.78
  text "LEAD-FREE HOT AIR LEVELING" at 213.029,17.98 h1.78
  text "X" at 208.429,17.28 h2.6
  text "IMMERSION GOLD" at 213.053,12.442 h1.78
  text "IMMERSION TIN" at 213.053,6.942 h1.78
  text "SMOBC WITH SELECTIVE GOLD PLATING ON LANDS" at 213.053,3.237 h1.78
  text "INDICATED. 1um GOLD OVER 5-10 um NICKEL" at 213.053,-0.573 h1.78
  text "SOLDERMASK" at 207.338,-5.908 h1.78
  text "DYNACHEM EPIC 200 LPI OR EQUIVALENT" at 228.928,-5.908 h1.78
  text "SOLDERMASK COLOR" at 207.338,-12.258 h1.78
  text "GREEN HIGH GLOSS" at 239.088,-12.258 h1.78
  text "SILKSCREEN COLOR" at 207.338,-18.608 h1.78
  text "WHITE" at 239.088,-18.608 h1.78
  text "Blind / Burried Vias" at 213.529,-24.72 h1.78
  text "DRILLING:" at 187.529,-24.97 h1.78
  text "Via Layer Pairs" at 208.029,-29.47 h1.78
  text "Top-Bottom" at 228.779,-29.47 h1.78
  text "ALL HOLES TO BE LOCATED BY THE COORDINATES FROM THE NC DRILL DATA PROVIDED." at 187.018,-34.72 h1.78
  text "05-'.ProjectPCBNumber'" at 219.029,-41.22 h1.78
  text "PCB REV" at 255.029,-41.22 h1.78
  text "USE ARTWORK SET NO." at 187.018,-41.308 h1.78
  text "'.ProjectRevisionART'" at 268.179,-41.47 h1.78
  text "ALL UL LOGO, MANUFACTURER'S ID, AND DATE CODES SHALL BE PLACED" at 187.018,-47.658 h1.78
  text "ON THE BOTTOM SIDE UNLESS OTHERWISE INDICATED." at 187.018,-51.468 h1.78
  text "ANY ALTERNATIVES TO THE ABOVE SPECIFICATIONS MUST FIRST BE APPROVED." at 186.529,-56.72 h1.78

## Dimensions
60,0 to 60,50 on FAB (M4)
0,0 to 60,0 on FAB (M4)

## Text inside footprints (layer, text, board x,y; h text height)
C2: Top Guard TOP (M15)/Guard BOT (M14) "C" at 2.5,46.4 h0.6 r90
J5: Top Assembly "1" at 34.7,45.3 h1 r180
Q1: Top Assy TOP (M11)/Assy BOT (M10) "1" at 48.1,37.475 h1 r90
Q2: Bottom Assy TOP (M11)/Assy BOT (M10) "1" at 41.15,37.825 h1 r270
Q3: Top Assy TOP (M11)/Assy BOT (M10) "1" at 48.4,22.65 h1 r90
Q4: Bottom Assy TOP (M11)/Assy BOT (M10) "1" at 41.1,22.875 h1 r270
Q5: Top Assy TOP (M11)/Assy BOT (M10) "1" at 48.25,7.957 h1 r90
Q6: Bottom Assy TOP (M11)/Assy BOT (M10) "1" at 40.95,7.664 h1 r270
U1: Bottom Assy TOP (M11)/Assy BOT (M10) "1" at 16.4,20.475 h1
U3: Top Assy TOP (M11)/Assy BOT (M10) "1" at 12.775,43.125 h0.8 r270